# KiCad board SparkFun_GNSS_LG580P_panelized.kicad_pcb (continued)
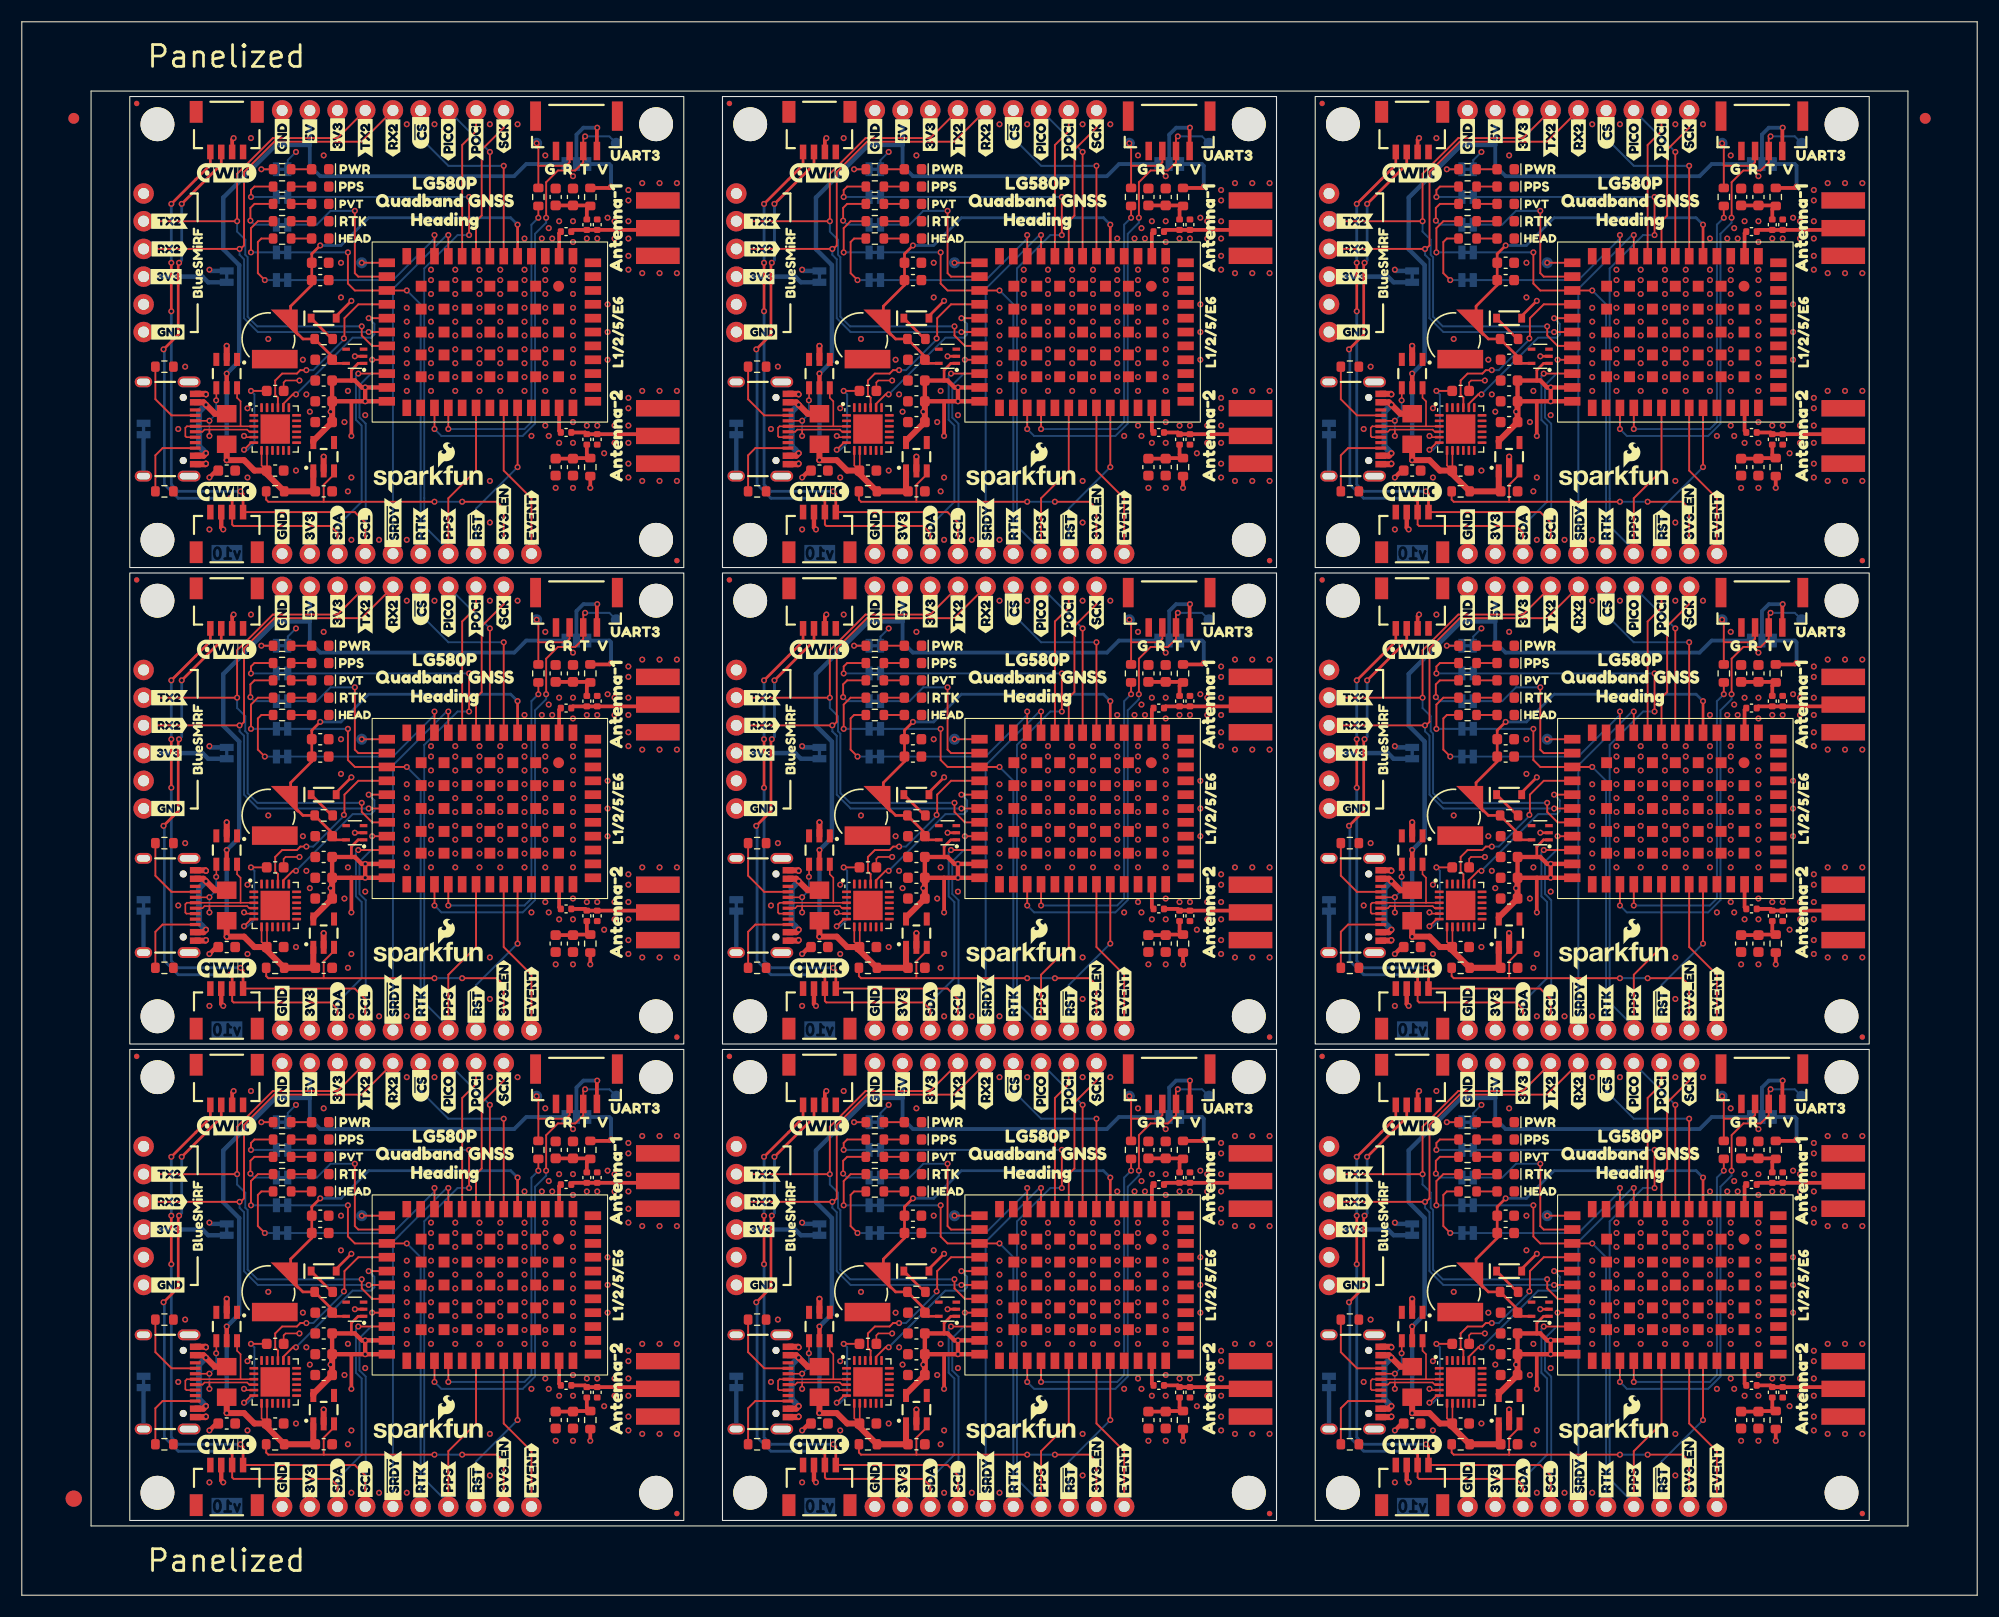
[diagram p0: board, top side]
## Placement (name value [footprint] x y rotation side) (continued)
kibuzzard-6797CEC8#9  G***  [kibuzzard-6797CEC8]  54.51 18.92 90 top
kibuzzard-6797CEC8#10  G***  [kibuzzard-6797CEC8]  108.85 62.6 270 bottom
kibuzzard-6797CEC8#11  G***  [kibuzzard-6797CEC8]  163.2 18.92 270 bottom
kibuzzard-6797CEC8#12  G***  [kibuzzard-6797CEC8]  54.51 62.6 270 bottom
kibuzzard-6797CEC8#13  G***  [kibuzzard-6797CEC8]  54.51 106.28 270 bottom
kibuzzard-6797CEC8#14  G***  [kibuzzard-6797CEC8]  108.85 18.92 270 bottom
kibuzzard-6797CEC8#15  G***  [kibuzzard-6797CEC8]  108.85 106.28 270 bottom
kibuzzard-6797CEC8#16  G***  [kibuzzard-6797CEC8]  163.2 106.28 270 bottom
kibuzzard-6797CEC8#17  G***  [kibuzzard-6797CEC8]  163.2 62.6 270 bottom
kibuzzard-6797CEC8#18  G***  [kibuzzard-6797CEC8]  54.51 18.92 270 bottom
kibuzzard-6797CECC  G***  [kibuzzard-6797CECC]  54.51 81.65 90 top
kibuzzard-6797CECC#2  G***  [kibuzzard-6797CECC]  54.51 125.33 90 top
kibuzzard-6797CECC#3  G***  [kibuzzard-6797CECC]  163.2 81.65 90 top
kibuzzard-6797CECC#4  G***  [kibuzzard-6797CECC]  108.85 81.65 90 top
kibuzzard-6797CECC#5  G***  [kibuzzard-6797CECC]  108.85 125.33 90 top
kibuzzard-6797CECC#6  G***  [kibuzzard-6797CECC]  163.2 37.97 90 top
kibuzzard-6797CECC#7  G***  [kibuzzard-6797CECC]  163.2 125.33 90 top
kibuzzard-6797CECC#8  G***  [kibuzzard-6797CECC]  108.85 37.97 90 top
kibuzzard-6797CECC#9  G***  [kibuzzard-6797CECC]  54.51 37.97 90 top
kibuzzard-6797CECC#10  G***  [kibuzzard-6797CECC]  54.51 125.33 270 bottom
kibuzzard-6797CECC#11  G***  [kibuzzard-6797CECC]  54.51 81.65 270 bottom
kibuzzard-6797CECC#12  G***  [kibuzzard-6797CECC]  163.2 125.33 270 bottom
kibuzzard-6797CECC#13  G***  [kibuzzard-6797CECC]  108.85 125.33 270 bottom
kibuzzard-6797CECC#14  G***  [kibuzzard-6797CECC]  163.2 37.97 270 bottom
kibuzzard-6797CECC#15  G***  [kibuzzard-6797CECC]  163.2 81.65 270 bottom
kibuzzard-6797CECC#16  G***  [kibuzzard-6797CECC]  108.85 37.97 270 bottom
kibuzzard-6797CECC#17  G***  [kibuzzard-6797CECC]  108.85 81.65 270 bottom
kibuzzard-6797CECC#18  G***  [kibuzzard-6797CECC]  54.51 37.97 270 bottom
kibuzzard-6797CF40  G***  [kibuzzard-6797CF40]  159.55 43.36 0 top
kibuzzard-6797CF40#2  G***  [kibuzzard-6797CF40]  50.86 87.04 0 top
kibuzzard-6797CF40#3  G***  [kibuzzard-6797CF40]  50.86 130.72 0 top
kibuzzard-6797CF40#4  G***  [kibuzzard-6797CF40]  105.2 43.36 0 top
kibuzzard-6797CF40#5  G***  [kibuzzard-6797CF40]  105.2 87.04 0 top
kibuzzard-6797CF40#6  G***  [kibuzzard-6797CF40]  105.2 130.72 0 top
kibuzzard-6797CF40#7  G***  [kibuzzard-6797CF40]  159.55 130.72 0 top
kibuzzard-6797CF40#8  G***  [kibuzzard-6797CF40]  159.55 87.04 0 top
kibuzzard-6797CF40#9  G***  [kibuzzard-6797CF40]  50.86 43.36 0 top
kibuzzard-6797CFAD  G***  [kibuzzard-6797CFAD]  160.35 135.49 270 bottom
kibuzzard-6797CFAD#2  G***  [kibuzzard-6797CFAD]  51.65 135.49 270 bottom
kibuzzard-6797CFAD#3  G***  [kibuzzard-6797CFAD]  106 48.12 270 bottom
kibuzzard-6797CFAD#4  G***  [kibuzzard-6797CFAD]  160.35 48.12 270 bottom
kibuzzard-6797CFAD#5  G***  [kibuzzard-6797CFAD]  106 135.49 270 bottom
kibuzzard-6797CFAD#6  G***  [kibuzzard-6797CFAD]  160.35 91.81 270 bottom
kibuzzard-6797CFAD#7  G***  [kibuzzard-6797CFAD]  51.65 91.81 270 bottom
kibuzzard-6797CFAD#8  G***  [kibuzzard-6797CFAD]  106 91.81 270 bottom
kibuzzard-6797CFAD#9  G***  [kibuzzard-6797CFAD]  51.65 48.12 270 bottom
kibuzzard-6797CFB3  G***  [kibuzzard-6797CFB3]  158.76 48.12 270 bottom
kibuzzard-6797CFB3#2  G***  [kibuzzard-6797CFB3]  158.76 135.49 270 bottom
kibuzzard-6797CFB3#3  G***  [kibuzzard-6797CFB3]  50.06 135.49 270 bottom
kibuzzard-6797CFB3#4  G***  [kibuzzard-6797CFB3]  104.41 48.12 270 bottom
kibuzzard-6797CFB3#5  G***  [kibuzzard-6797CFB3]  104.41 91.81 270 bottom
kibuzzard-6797CFB3#6  G***  [kibuzzard-6797CFB3]  50.06 91.81 270 bottom
kibuzzard-6797CFB3#7  G***  [kibuzzard-6797CFB3]  104.41 135.49 270 bottom
kibuzzard-6797CFB3#8  G***  [kibuzzard-6797CFB3]  158.76 91.81 270 bottom
kibuzzard-6797CFB3#9  G***  [kibuzzard-6797CFB3]  50.06 48.12 270 bottom
kibuzzard-6797CFD5  G***  [kibuzzard-6797CFD5]  90.92 10.66 90 top
kibuzzard-6797CFD5#2  G***  [kibuzzard-6797CFD5]  36.57 54.34 90 top
kibuzzard-6797CFD5#3  G***  [kibuzzard-6797CFD5]  145.26 98.02 90 top
kibuzzard-6797CFD5#4  G***  [kibuzzard-6797CFD5]  145.26 10.66 90 top
kibuzzard-6797CFD5#5  G***  [kibuzzard-6797CFD5]  90.92 54.34 90 top
kibuzzard-6797CFD5#6  G***  [kibuzzard-6797CFD5]  145.26 54.34 90 top
kibuzzard-6797CFD5#7  G***  [kibuzzard-6797CFD5]  36.57 98.02 90 top
kibuzzard-6797CFD5#8  G***  [kibuzzard-6797CFD5]  90.92 98.02 90 top
kibuzzard-6797CFD5#9  G***  [kibuzzard-6797CFD5]  36.57 10.66 90 top
kibuzzard-6797CFD9  G***  [kibuzzard-6797CFD9]  39.11 54.34 90 top
kibuzzard-6797CFD9#2  G***  [kibuzzard-6797CFD9]  39.11 98.02 90 top
kibuzzard-6797CFD9#3  G***  [kibuzzard-6797CFD9]  93.46 10.66 90 top
kibuzzard-6797CFD9#4  G***  [kibuzzard-6797CFD9]  147.8 98.02 90 top
kibuzzard-6797CFD9#5  G***  [kibuzzard-6797CFD9]  147.8 10.66 90 top
kibuzzard-6797CFD9#6  G***  [kibuzzard-6797CFD9]  93.46 54.34 90 top
kibuzzard-6797CFD9#7  G***  [kibuzzard-6797CFD9]  93.46 98.02 90 top
kibuzzard-6797CFD9#8  G***  [kibuzzard-6797CFD9]  147.8 54.34 90 top
kibuzzard-6797CFD9#9  G***  [kibuzzard-6797CFD9]  39.11 10.66 90 top
kibuzzard-6797CFEB  G***  [kibuzzard-6797CFEB]  41.65 54.18 90 top
kibuzzard-6797CFEB#2  G***  [kibuzzard-6797CFEB]  96 54.18 90 top
kibuzzard-6797CFEB#3  G***  [kibuzzard-6797CFEB]  96 10.5 90 top
kibuzzard-6797CFEB#4  G***  [kibuzzard-6797CFEB]  96 97.86 90 top
kibuzzard-6797CFEB#5  G***  [kibuzzard-6797CFEB]  150.34 97.86 90 top
kibuzzard-6797CFEB#6  G***  [kibuzzard-6797CFEB]  150.34 10.5 90 top
kibuzzard-6797CFEB#7  G***  [kibuzzard-6797CFEB]  41.65 97.86 90 top
kibuzzard-6797CFEB#8  G***  [kibuzzard-6797CFEB]  150.34 54.18 90 top
kibuzzard-6797CFEB#9  G***  [kibuzzard-6797CFEB]  41.65 10.5 90 top
kibuzzard-6797D0AD  G***  [kibuzzard-6797D0AD]  132.56 46.38 270 bottom
kibuzzard-6797D0AD#2  G***  [kibuzzard-6797D0AD]  23.87 90.06 270 bottom
kibuzzard-6797D0AD#3  G***  [kibuzzard-6797D0AD]  23.87 133.74 270 bottom
kibuzzard-6797D0AD#4  G***  [kibuzzard-6797D0AD]  78.22 46.38 270 bottom
kibuzzard-6797D0AD#5  G***  [kibuzzard-6797D0AD]  78.22 90.06 270 bottom
kibuzzard-6797D0AD#6  G***  [kibuzzard-6797D0AD]  78.22 133.74 270 bottom
kibuzzard-6797D0AD#7  G***  [kibuzzard-6797D0AD]  132.56 133.74 270 bottom
kibuzzard-6797D0AD#8  G***  [kibuzzard-6797D0AD]  132.56 90.06 270 bottom
kibuzzard-6797D0AD#9  G***  [kibuzzard-6797D0AD]  23.87 46.38 270 bottom
kibuzzard-6797D0B2  G***  [kibuzzard-6797D0B2]  26.41 46.86 270 bottom
kibuzzard-6797D0B2#2  G***  [kibuzzard-6797D0B2]  80.76 90.53 270 bottom
kibuzzard-6797D0B2#3  G***  [kibuzzard-6797D0B2]  135.1 46.86 270 bottom
kibuzzard-6797D0B2#4  G***  [kibuzzard-6797D0B2]  26.41 134.22 270 bottom
kibuzzard-6797D0B2#5  G***  [kibuzzard-6797D0B2]  26.41 90.53 270 bottom
kibuzzard-6797D0B2#6  G***  [kibuzzard-6797D0B2]  80.76 46.86 270 bottom
kibuzzard-6797D0B2#7  G***  [kibuzzard-6797D0B2]  80.76 134.22 270 bottom
kibuzzard-6797D0B2#8  G***  [kibuzzard-6797D0B2]  135.1 90.53 270 bottom
kibuzzard-6797D0B2#9  G***  [kibuzzard-6797D0B2]  135.1 134.22 270 bottom
kibuzzard-6797D0B5  G***  [kibuzzard-6797D0B5]  28.95 46.47 270 bottom
kibuzzard-6797D0B5#2  G***  [kibuzzard-6797D0B5]  28.95 133.83 270 bottom
kibuzzard-6797D0B5#3  G***  [kibuzzard-6797D0B5]  83.3 46.47 270 bottom
kibuzzard-6797D0B5#4  G***  [kibuzzard-6797D0B5]  137.64 133.83 270 bottom
kibuzzard-6797D0B5#5  G***  [kibuzzard-6797D0B5]  28.95 90.15 270 bottom
kibuzzard-6797D0B5#6  G***  [kibuzzard-6797D0B5]  83.3 133.83 270 bottom
kibuzzard-6797D0B5#7  G***  [kibuzzard-6797D0B5]  83.3 90.15 270 bottom
kibuzzard-6797D0B5#8  G***  [kibuzzard-6797D0B5]  137.64 46.47 270 bottom
kibuzzard-6797D0B5#9  G***  [kibuzzard-6797D0B5]  137.64 90.15 270 bottom
kibuzzard-6797D0B9  G***  [kibuzzard-6797D0B9]  31.49 133.58 270 bottom
kibuzzard-6797D0B9#2  G***  [kibuzzard-6797D0B9]  31.49 89.9 270 bottom
kibuzzard-6797D0B9#3  G***  [kibuzzard-6797D0B9]  85.84 46.22 270 bottom
kibuzzard-6797D0B9#4  G***  [kibuzzard-6797D0B9]  85.84 133.58 270 bottom
kibuzzard-6797D0B9#5  G***  [kibuzzard-6797D0B9]  140.18 133.58 270 bottom
kibuzzard-6797D0B9#6  G***  [kibuzzard-6797D0B9]  140.18 89.9 270 bottom
kibuzzard-6797D0B9#7  G***  [kibuzzard-6797D0B9]  85.84 89.9 270 bottom
kibuzzard-6797D0B9#8  G***  [kibuzzard-6797D0B9]  140.18 46.22 270 bottom
kibuzzard-6797D0B9#9  G***  [kibuzzard-6797D0B9]  31.49 46.22 270 bottom
kibuzzard-6797D0BE  G***  [kibuzzard-6797D0BE]  88.38 90.06 270 bottom
kibuzzard-6797D0BE#2  G***  [kibuzzard-6797D0BE]  34.03 90.06 270 bottom
kibuzzard-6797D0BE#3  G***  [kibuzzard-6797D0BE]  34.03 133.74 270 bottom
kibuzzard-6797D0BE#4  G***  [kibuzzard-6797D0BE]  88.38 46.38 270 bottom
kibuzzard-6797D0BE#5  G***  [kibuzzard-6797D0BE]  142.72 46.38 270 bottom
kibuzzard-6797D0BE#6  G***  [kibuzzard-6797D0BE]  88.38 133.74 270 bottom
kibuzzard-6797D0BE#7  G***  [kibuzzard-6797D0BE]  142.72 90.06 270 bottom
kibuzzard-6797D0BE#8  G***  [kibuzzard-6797D0BE]  142.72 133.74 270 bottom
kibuzzard-6797D0BE#9  G***  [kibuzzard-6797D0BE]  34.03 46.38 270 bottom
kibuzzard-6797D1E0  G***  [kibuzzard-6797D1E0]  36.57 134.06 270 bottom
kibuzzard-6797D1E0#2  G***  [kibuzzard-6797D1E0]  90.92 90.38 270 bottom
kibuzzard-6797D1E0#3  G***  [kibuzzard-6797D1E0]  145.26 46.7 270 bottom
kibuzzard-6797D1E0#4  G***  [kibuzzard-6797D1E0]  36.57 90.38 270 bottom
kibuzzard-6797D1E0#5  G***  [kibuzzard-6797D1E0]  145.26 90.38 270 bottom
kibuzzard-6797D1E0#6  G***  [kibuzzard-6797D1E0]  90.92 46.7 270 bottom
kibuzzard-6797D1E0#7  G***  [kibuzzard-6797D1E0]  90.92 134.06 270 bottom
kibuzzard-6797D1E0#8  G***  [kibuzzard-6797D1E0]  145.26 134.06 270 bottom
kibuzzard-6797D1E0#9  G***  [kibuzzard-6797D1E0]  36.57 46.7 270 bottom
kibuzzard-6797D1F5  G***  [kibuzzard-6797D1F5]  145.26 90.38 90 top
kibuzzard-6797D1F5#2  G***  [kibuzzard-6797D1F5]  90.92 46.7 90 top
kibuzzard-6797D1F5#3  G***  [kibuzzard-6797D1F5]  36.57 134.06 90 top
kibuzzard-6797D1F5#4  G***  [kibuzzard-6797D1F5]  90.92 134.06 90 top
kibuzzard-6797D1F5#5  G***  [kibuzzard-6797D1F5]  36.57 90.38 90 top
kibuzzard-6797D1F5#6  G***  [kibuzzard-6797D1F5]  90.92 90.38 90 top
kibuzzard-6797D1F5#7  G***  [kibuzzard-6797D1F5]  145.26 46.7 90 top
kibuzzard-6797D1F5#8  G***  [kibuzzard-6797D1F5]  145.26 134.06 90 top
kibuzzard-6797D1F5#9  G***  [kibuzzard-6797D1F5]  36.57 46.7 90 top
kibuzzard-6797D2D0  G***  [kibuzzard-6797D2D0]  38.79 40.51 0 top
kibuzzard-6797D2D0#2  G***  [kibuzzard-6797D2D0]  93.14 127.87 0 top
kibuzzard-6797D2D0#3  G***  [kibuzzard-6797D2D0]  93.14 84.19 0 top
kibuzzard-6797D2D0#4  G***  [kibuzzard-6797D2D0]  147.49 127.87 0 top
kibuzzard-6797D2D0#5  G***  [kibuzzard-6797D2D0]  147.49 84.19 0 top
kibuzzard-6797D2D0#6  G***  [kibuzzard-6797D2D0]  147.49 40.51 0 top
kibuzzard-6797D2D0#7  G***  [kibuzzard-6797D2D0]  38.79 84.19 0 top
kibuzzard-6797D2D0#8  G***  [kibuzzard-6797D2D0]  38.79 127.87 0 top
kibuzzard-6797D2D0#9  G***  [kibuzzard-6797D2D0]  93.14 40.51 0 top
kibuzzard-6797D02E  G***  [kibuzzard-6797D02E]  13.39 28.44 0 top
kibuzzard-6797D02E#2  G***  [kibuzzard-6797D02E]  13.39 115.8 0 top
kibuzzard-6797D02E#3  G***  [kibuzzard-6797D02E]  67.74 72.12 0 top
kibuzzard-6797D02E#4  G***  [kibuzzard-6797D02E]  122.09 28.44 0 top
kibuzzard-6797D02E#5  G***  [kibuzzard-6797D02E]  122.09 115.8 0 top
kibuzzard-6797D02E#6  G***  [kibuzzard-6797D02E]  13.39 72.12 0 top
kibuzzard-6797D02E#7  G***  [kibuzzard-6797D02E]  67.74 28.44 0 top
kibuzzard-6797D02E#8  G***  [kibuzzard-6797D02E]  67.74 115.8 0 top
kibuzzard-6797D02E#9  G***  [kibuzzard-6797D02E]  122.09 72.12 0 top
kibuzzard-6797D04A  G***  [kibuzzard-6797D04A]  13.55 38.6 180 bottom
kibuzzard-6797D04A#2  G***  [kibuzzard-6797D04A]  13.55 125.96 180 bottom
kibuzzard-6797D04A#3  G***  [kibuzzard-6797D04A]  13.55 82.28 180 bottom
kibuzzard-6797D04A#4  G***  [kibuzzard-6797D04A]  67.9 125.96 180 bottom
kibuzzard-6797D04A#5  G***  [kibuzzard-6797D04A]  122.25 82.28 180 bottom
kibuzzard-6797D04A#6  G***  [kibuzzard-6797D04A]  67.9 38.6 180 bottom
kibuzzard-6797D04A#7  G***  [kibuzzard-6797D04A]  122.25 125.96 180 bottom
kibuzzard-6797D04A#8  G***  [kibuzzard-6797D04A]  67.9 82.28 180 bottom
kibuzzard-6797D04A#9  G***  [kibuzzard-6797D04A]  122.25 38.6 180 bottom
kibuzzard-6797D04F  G***  [kibuzzard-6797D04F]  67.9 123.42 180 bottom
kibuzzard-6797D04F#2  G***  [kibuzzard-6797D04F]  67.9 79.74 180 bottom
kibuzzard-6797D04F#3  G***  [kibuzzard-6797D04F]  13.55 79.74 180 bottom
kibuzzard-6797D04F#4  G***  [kibuzzard-6797D04F]  13.55 123.42 180 bottom
kibuzzard-6797D04F#5  G***  [kibuzzard-6797D04F]  67.9 36.06 180 bottom
kibuzzard-6797D04F#6  G***  [kibuzzard-6797D04F]  122.25 36.06 180 bottom
kibuzzard-6797D04F#7  G***  [kibuzzard-6797D04F]  122.25 79.74 180 bottom
kibuzzard-6797D04F#8  G***  [kibuzzard-6797D04F]  122.25 123.42 180 bottom
kibuzzard-6797D04F#9  G***  [kibuzzard-6797D04F]  13.55 36.06 180 bottom
kibuzzard-6797D06C  G***  [kibuzzard-6797D06C]  78.22 10.5 270 bottom
kibuzzard-6797D06C#2  G***  [kibuzzard-6797D06C]  132.56 10.5 270 bottom
kibuzzard-6797D06C#3  G***  [kibuzzard-6797D06C]  23.87 54.18 270 bottom
kibuzzard-6797D06C#4  G***  [kibuzzard-6797D06C]  132.56 97.86 270 bottom
kibuzzard-6797D06C#5  G***  [kibuzzard-6797D06C]  78.22 54.18 270 bottom
kibuzzard-6797D06C#6  G***  [kibuzzard-6797D06C]  23.87 97.86 270 bottom
kibuzzard-6797D06C#7  G***  [kibuzzard-6797D06C]  78.22 97.86 270 bottom
kibuzzard-6797D06C#8  G***  [kibuzzard-6797D06C]  132.56 54.18 270 bottom
kibuzzard-6797D06C#9  G***  [kibuzzard-6797D06C]  23.87 10.5 270 bottom
kibuzzard-6797D07B  G***  [kibuzzard-6797D07B]  28.95 10.66 270 bottom
kibuzzard-6797D07B#2  G***  [kibuzzard-6797D07B]  83.3 10.66 270 bottom
kibuzzard-6797D07B#3  G***  [kibuzzard-6797D07B]  28.95 98.02 270 bottom
kibuzzard-6797D07B#4  G***  [kibuzzard-6797D07B]  28.95 54.34 270 bottom
kibuzzard-6797D07B#5  G***  [kibuzzard-6797D07B]  137.64 54.34 270 bottom
kibuzzard-6797D07B#6  G***  [kibuzzard-6797D07B]  137.64 98.02 270 bottom
kibuzzard-6797D07B#7  G***  [kibuzzard-6797D07B]  83.3 54.34 270 bottom
kibuzzard-6797D07B#8  G***  [kibuzzard-6797D07B]  83.3 98.02 270 bottom
kibuzzard-6797D07B#9  G***  [kibuzzard-6797D07B]  137.64 10.66 270 bottom
kibuzzard-6797D08B  G***  [kibuzzard-6797D08B]  39.11 10.5 270 bottom
kibuzzard-6797D08B#2  G***  [kibuzzard-6797D08B]  93.46 54.18 270 bottom
kibuzzard-6797D08B#3  G***  [kibuzzard-6797D08B]  147.8 97.86 270 bottom
kibuzzard-6797D08B#4  G***  [kibuzzard-6797D08B]  93.46 97.86 270 bottom
kibuzzard-6797D08B#5  G***  [kibuzzard-6797D08B]  39.11 97.86 270 bottom
kibuzzard-6797D08B#6  G***  [kibuzzard-6797D08B]  39.11 54.18 270 bottom
kibuzzard-6797D08B#7  G***  [kibuzzard-6797D08B]  93.46 10.5 270 bottom
kibuzzard-6797D08B#8  G***  [kibuzzard-6797D08B]  147.8 10.5 270 bottom
kibuzzard-6797D08B#9  G***  [kibuzzard-6797D08B]  147.8 54.18 270 bottom
kibuzzard-6797D08F  G***  [kibuzzard-6797D08F]  96 10.66 270 bottom
kibuzzard-6797D08F#2  G***  [kibuzzard-6797D08F]  41.65 54.34 270 bottom
kibuzzard-6797D08F#3  G***  [kibuzzard-6797D08F]  41.65 98.02 270 bottom
kibuzzard-6797D08F#4  G***  [kibuzzard-6797D08F]  96 54.34 270 bottom
kibuzzard-6797D08F#5  G***  [kibuzzard-6797D08F]  150.34 10.66 270 bottom
kibuzzard-6797D08F#6  G***  [kibuzzard-6797D08F]  96 98.02 270 bottom
kibuzzard-6797D08F#7  G***  [kibuzzard-6797D08F]  150.34 98.02 270 bottom
kibuzzard-6797D08F#8  G***  [kibuzzard-6797D08F]  150.34 54.34 270 bottom
kibuzzard-6797D08F#9  G***  [kibuzzard-6797D08F]  41.65 10.66 270 bottom
kibuzzard-6797D021  G***  [kibuzzard-6797D021]  13.23 120.88 0 top
kibuzzard-6797D021#2  G***  [kibuzzard-6797D021]  67.58 77.2 0 top
kibuzzard-6797D021#3  G***  [kibuzzard-6797D021]  121.93 33.52 0 top
kibuzzard-6797D021#4  G***  [kibuzzard-6797D021]  13.23 77.2 0 top
kibuzzard-6797D021#5  G***  [kibuzzard-6797D021]  67.58 33.52 0 top
kibuzzard-6797D021#6  G***  [kibuzzard-6797D021]  67.58 120.88 0 top
kibuzzard-6797D021#7  G***  [kibuzzard-6797D021]  121.93 120.88 0 top
kibuzzard-6797D021#8  G***  [kibuzzard-6797D021]  121.93 77.2 0 top
kibuzzard-6797D021#9  G***  [kibuzzard-6797D021]  13.23 33.52 0 top
kibuzzard-6797D21D  G***  [kibuzzard-6797D21D]  41.65 46.06 270 bottom
kibuzzard-6797D21D#2  G***  [kibuzzard-6797D21D]  41.65 133.42 270 bottom
kibuzzard-6797D21D#3  G***  [kibuzzard-6797D21D]  41.65 89.74 270 bottom
kibuzzard-6797D21D#4  G***  [kibuzzard-6797D21D]  96 89.74 270 bottom
kibuzzard-6797D21D#5  G***  [kibuzzard-6797D21D]  150.34 89.74 270 bottom
kibuzzard-6797D21D#6  G***  [kibuzzard-6797D21D]  150.34 133.42 270 bottom
kibuzzard-6797D21D#7  G***  [kibuzzard-6797D21D]  96 46.06 270 bottom
kibuzzard-6797D21D#8  G***  [kibuzzard-6797D21D]  96 133.42 270 bottom
kibuzzard-6797D21D#9  G***  [kibuzzard-6797D21D]  150.34 46.06 270 bottom
kibuzzard-6797D23B  G***  [kibuzzard-6797D23B]  98.54 90.06 90 top
kibuzzard-6797D23B#2  G***  [kibuzzard-6797D23B]  152.88 46.38 90 top
kibuzzard-6797D23B#3  G***  [kibuzzard-6797D23B]  152.88 133.74 90 top
kibuzzard-6797D23B#4  G***  [kibuzzard-6797D23B]  98.54 46.38 90 top
kibuzzard-6797D23B#5  G***  [kibuzzard-6797D23B]  152.88 90.06 90 top
kibuzzard-6797D23B#6  G***  [kibuzzard-6797D23B]  44.19 133.74 90 top
kibuzzard-6797D23B#7  G***  [kibuzzard-6797D23B]  44.19 90.06 90 top
kibuzzard-6797D23B#8  G***  [kibuzzard-6797D23B]  98.54 133.74 90 top
kibuzzard-6797D23B#9  G***  [kibuzzard-6797D23B]  44.19 46.38 90 top
kibuzzard-6797D24B  G***  [kibuzzard-6797D24B]  93.46 133.42 90 top
kibuzzard-6797D24B#2  G***  [kibuzzard-6797D24B]  147.8 89.74 90 top
kibuzzard-6797D24B#3  G***  [kibuzzard-6797D24B]  93.46 46.06 90 top
kibuzzard-6797D24B#4  G***  [kibuzzard-6797D24B]  93.46 89.74 90 top
kibuzzard-6797D24B#5  G***  [kibuzzard-6797D24B]  39.11 89.74 90 top
kibuzzard-6797D24B#6  G***  [kibuzzard-6797D24B]  39.11 133.42 90 top
kibuzzard-6797D24B#7  G***  [kibuzzard-6797D24B]  147.8 46.06 90 top
kibuzzard-6797D24B#8  G***  [kibuzzard-6797D24B]  147.8 133.42 90 top
kibuzzard-6797D24B#9  G***  [kibuzzard-6797D24B]  39.11 46.06 90 top
kibuzzard-6797D025  G***  [kibuzzard-6797D025]  13.55 36.06 0 top
kibuzzard-6797D025#2  G***  [kibuzzard-6797D025]  67.9 36.06 0 top
kibuzzard-6797D025#3  G***  [kibuzzard-6797D025]  13.55 79.74 0 top
kibuzzard-6797D025#4  G***  [kibuzzard-6797D025]  122.25 123.42 0 top
kibuzzard-6797D025#5  G***  [kibuzzard-6797D025]  67.9 123.42 0 top
kibuzzard-6797D025#6  G***  [kibuzzard-6797D025]  13.55 123.42 0 top
kibuzzard-6797D025#7  G***  [kibuzzard-6797D025]  67.9 79.74 0 top
kibuzzard-6797D025#8  G***  [kibuzzard-6797D025]  122.25 36.06 0 top
kibuzzard-6797D025#9  G***  [kibuzzard-6797D025]  122.25 79.74 0 top
kibuzzard-6797D029  G***  [kibuzzard-6797D029]  13.55 125.96 0 top
kibuzzard-6797D029#2  G***  [kibuzzard-6797D029]  13.55 82.28 0 top
kibuzzard-6797D029#3  G***  [kibuzzard-6797D029]  122.25 82.28 0 top
kibuzzard-6797D029#4  G***  [kibuzzard-6797D029]  122.25 38.6 0 top
kibuzzard-6797D029#5  G***  [kibuzzard-6797D029]  122.25 125.96 0 top
kibuzzard-6797D029#6  G***  [kibuzzard-6797D029]  67.9 38.6 0 top
kibuzzard-6797D029#7  G***  [kibuzzard-6797D029]  67.9 82.28 0 top
kibuzzard-6797D029#8  G***  [kibuzzard-6797D029]  67.9 125.96 0 top
kibuzzard-6797D029#9  G***  [kibuzzard-6797D029]  13.55 38.6 0 top
kibuzzard-6797D30B  G***  [kibuzzard-6797D30B]  110.6 44.63 0 top
kibuzzard-6797D30B#2  G***  [kibuzzard-6797D30B]  56.25 131.99 0 top
kibuzzard-6797D30B#3  G***  [kibuzzard-6797D30B]  56.25 88.31 0 top
kibuzzard-6797D30B#4  G***  [kibuzzard-6797D30B]  164.95 88.31 0 top
kibuzzard-6797D30B#5  G***  [kibuzzard-6797D30B]  110.6 88.31 0 top
kibuzzard-6797D30B#6  G***  [kibuzzard-6797D30B]  110.6 131.99 0 top
kibuzzard-6797D30B#7  G***  [kibuzzard-6797D30B]  164.95 44.63 0 top
kibuzzard-6797D30B#8  G***  [kibuzzard-6797D30B]  164.95 131.99 0 top
kibuzzard-6797D30B#9  G***  [kibuzzard-6797D30B]  56.25 44.63 0 top
kibuzzard-6797D054  G***  [kibuzzard-6797D054]  67.58 120.88 180 bottom
kibuzzard-6797D054#2  G***  [kibuzzard-6797D054]  121.93 120.88 180 bottom
kibuzzard-6797D054#3  G***  [kibuzzard-6797D054]  67.58 77.2 180 bottom
kibuzzard-6797D054#4  G***  [kibuzzard-6797D054]  13.23 120.88 180 bottom
kibuzzard-6797D054#5  G***  [kibuzzard-6797D054]  121.93 33.52 180 bottom
kibuzzard-6797D054#6  G***  [kibuzzard-6797D054]  13.23 77.2 180 bottom
kibuzzard-6797D054#7  G***  [kibuzzard-6797D054]  67.58 33.52 180 bottom
kibuzzard-6797D054#8  G***  [kibuzzard-6797D054]  121.93 77.2 180 bottom
kibuzzard-6797D054#9  G***  [kibuzzard-6797D054]  13.23 33.52 180 bottom
kibuzzard-6797D058  G***  [kibuzzard-6797D058]  13.39 28.44 180 bottom
kibuzzard-6797D058#2  G***  [kibuzzard-6797D058]  13.39 72.12 180 bottom
kibuzzard-6797D058#3  G***  [kibuzzard-6797D058]  13.39 115.8 180 bottom
kibuzzard-6797D058#4  G***  [kibuzzard-6797D058]  67.74 28.44 180 bottom
kibuzzard-6797D058#5  G***  [kibuzzard-6797D058]  122.09 28.44 180 bottom
kibuzzard-6797D058#6  G***  [kibuzzard-6797D058]  67.74 115.8 180 bottom
kibuzzard-6797D058#7  G***  [kibuzzard-6797D058]  122.09 115.8 180 bottom
kibuzzard-6797D058#8  G***  [kibuzzard-6797D058]  67.74 72.12 180 bottom
kibuzzard-6797D058#9  G***  [kibuzzard-6797D058]  122.09 72.12 180 bottom
kibuzzard-6797D071  G***  [kibuzzard-6797D071]  135.1 54.02 270 bottom
kibuzzard-6797D071#2  G***  [kibuzzard-6797D071]  135.1 97.7 270 bottom
kibuzzard-6797D071#3  G***  [kibuzzard-6797D071]  26.41 10.34 270 bottom
kibuzzard-6797D071#4  G***  [kibuzzard-6797D071]  26.41 54.02 270 bottom
kibuzzard-6797D071#5  G***  [kibuzzard-6797D071]  80.76 54.02 270 bottom
kibuzzard-6797D071#6  G***  [kibuzzard-6797D071]  26.41 97.7 270 bottom
kibuzzard-6797D071#7  G***  [kibuzzard-6797D071]  80.76 10.34 270 bottom
kibuzzard-6797D071#8  G***  [kibuzzard-6797D071]  80.76 97.7 270 bottom
kibuzzard-6797D071#9  G***  [kibuzzard-6797D071]  135.1 10.34 270 bottom
kibuzzard-6797D081  G***  [kibuzzard-6797D081]  31.49 97.86 270 bottom
kibuzzard-6797D081#2  G***  [kibuzzard-6797D081]  31.49 54.18 270 bottom
kibuzzard-6797D081#3  G***  [kibuzzard-6797D081]  85.84 97.86 270 bottom
kibuzzard-6797D081#4  G***  [kibuzzard-6797D081]  140.18 97.86 270 bottom
kibuzzard-6797D081#5  G***  [kibuzzard-6797D081]  85.84 10.5 270 bottom
kibuzzard-6797D081#6  G***  [kibuzzard-6797D081]  85.84 54.18 270 bottom
kibuzzard-6797D081#7  G***  [kibuzzard-6797D081]  140.18 10.5 270 bottom
kibuzzard-6797D081#8  G***  [kibuzzard-6797D081]  140.18 54.18 270 bottom
kibuzzard-6797D081#9  G***  [kibuzzard-6797D081]  31.49 10.5 270 bottom
kibuzzard-6797D086  G***  [kibuzzard-6797D086]  90.92 97.86 270 bottom
kibuzzard-6797D086#2  G***  [kibuzzard-6797D086]  36.57 54.18 270 bottom
kibuzzard-6797D086#3  G***  [kibuzzard-6797D086]  36.57 97.86 270 bottom
kibuzzard-6797D086#4  G***  [kibuzzard-6797D086]  90.92 10.5 270 bottom
kibuzzard-6797D086#5  G***  [kibuzzard-6797D086]  90.92 54.18 270 bottom
kibuzzard-6797D086#6  G***  [kibuzzard-6797D086]  145.26 10.5 270 bottom
kibuzzard-6797D086#7  G***  [kibuzzard-6797D086]  145.26 54.18 270 bottom
kibuzzard-6797D086#8  G***  [kibuzzard-6797D086]  145.26 97.86 270 bottom
kibuzzard-6797D086#9  G***  [kibuzzard-6797D086]  36.57 10.5 270 bottom
kibuzzard-6797D093  G***  [kibuzzard-6797D093]  44.19 99.13 270 bottom
kibuzzard-6797D093#2  G***  [kibuzzard-6797D093]  98.54 55.45 270 bottom
kibuzzard-6797D093#3  G***  [kibuzzard-6797D093]  44.19 55.45 270 bottom
kibuzzard-6797D093#4  G***  [kibuzzard-6797D093]  98.54 11.77 270 bottom
kibuzzard-6797D093#5  G***  [kibuzzard-6797D093]  152.88 55.45 270 bottom
kibuzzard-6797D093#6  G***  [kibuzzard-6797D093]  98.54 99.13 270 bottom
kibuzzard-6797D093#7  G***  [kibuzzard-6797D093]  152.88 11.77 270 bottom
kibuzzard-6797D093#8  G***  [kibuzzard-6797D093]  152.88 99.13 270 bottom
kibuzzard-6797D093#9  G***  [kibuzzard-6797D093]  44.19 11.77 270 bottom
kibuzzard-6797D096  G***  [kibuzzard-6797D096]  155.42 11.45 270 bottom
kibuzzard-6797D096#2  G***  [kibuzzard-6797D096]  46.73 11.45 270 bottom
kibuzzard-6797D096#3  G***  [kibuzzard-6797D096]  46.73 55.13 270 bottom
kibuzzard-6797D096#4  G***  [kibuzzard-6797D096]  155.42 98.81 270 bottom
kibuzzard-6797D096#5  G***  [kibuzzard-6797D096]  101.08 11.45 270 bottom
kibuzzard-6797D096#6  G***  [kibuzzard-6797D096]  46.73 98.81 270 bottom
kibuzzard-6797D096#7  G***  [kibuzzard-6797D096]  101.08 98.81 270 bottom
kibuzzard-6797D096#8  G***  [kibuzzard-6797D096]  155.42 55.13 270 bottom
kibuzzard-6797D096#9  G***  [kibuzzard-6797D096]  101.08 55.13 270 bottom
kibuzzard-6797D214  G***  [kibuzzard-6797D214]  93.46 89.74 270 bottom
kibuzzard-6797D214#2  G***  [kibuzzard-6797D214]  147.8 89.74 270 bottom
kibuzzard-6797D214#3  G***  [kibuzzard-6797D214]  93.46 46.06 270 bottom
kibuzzard-6797D214#4  G***  [kibuzzard-6797D214]  93.46 133.42 270 bottom
kibuzzard-6797D214#5  G***  [kibuzzard-6797D214]  147.8 46.06 270 bottom